# Altium PCB pay-ssm.PcbDoc (part 1 of 2) (continued)
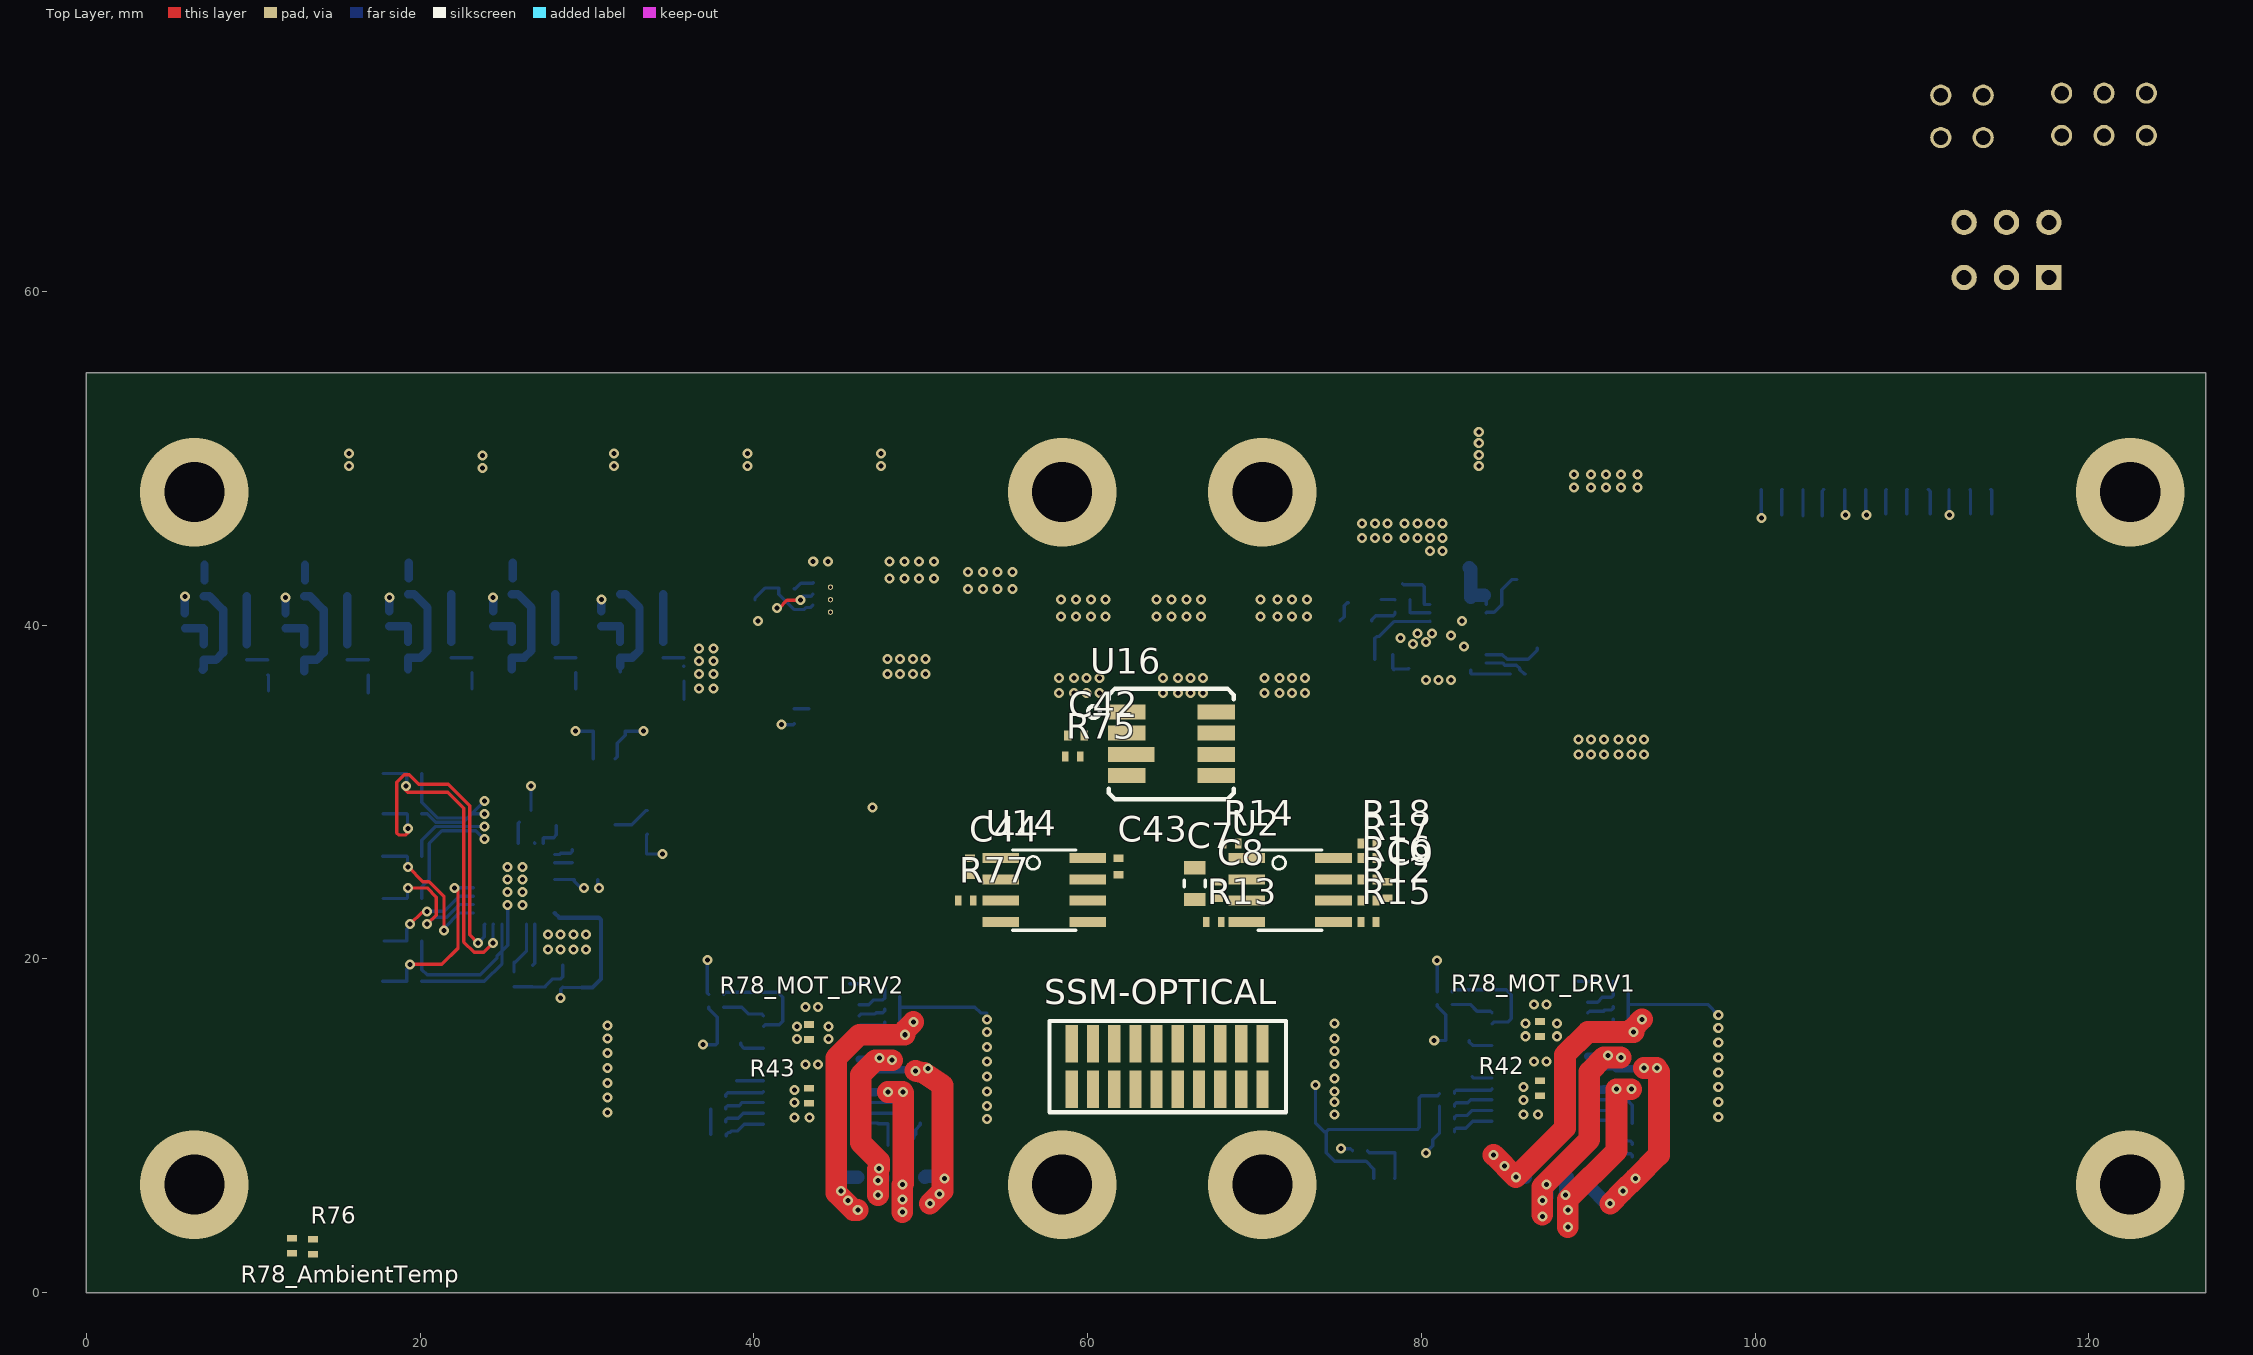
[diagram p0: Top Layer view]
## Footprints (in the part's own frame and the unit in brackets; to place one, negate y for a bottom-side part, rotate by r counter-clockwise, add the part's x,y. Pads: shape width x height; smd on the part's side, far side on the other; paste and mask are expansions set on the pad) (continued)
RES0805R [mm] "resistor 0805 reflow soldering"
  rect 0.7x1.3 smd mask+0: 1(-0.95,0) 2(0.95,0)
  silkscreen extent -0.2,-0.63 0.2,0.63, body extent -1,-0.63 1,0.62, height 0.5
SFMC-110-02-L-D [mil] "CONN RCPT 20POS 0.05 GOLD SMD"
  rect 29x88 smd: 1(225,-53.5) 2(225,53.5) 3(175,-53.5) 4(175,53.5) 5(125,-53.5) 6(125,53.5) 7(75,-53.5) 8(75,53.5) 9(25,-53.5) 10(25,53.5) 11(-25,-53.5) 12(-25,53.5) 13(-75,-53.5) 14(-75,53.5) 15(-125,-53.5) 16(-125,53.5) 17(-175,-53.5) 18(-175,53.5) 19(-225,-53.5) 20(-225,53.5)
  silkscreen extent -280,-108 278,108, body extent -257,-82 258,83, height 180
SLW-102-01-X-D [mil] "CONN RCPT 4POS 0.1 GOLD PCB"
  round 50 hole 34: 1(50,-50) 2(50,50) 3(-50,-50) 4(-50,50)
  silkscreen extent -120,-118 120,118, body extent -100,-98 100,98, height 180
SLW-103-01-X-D [mil] "CONN RCPT 6POS 0.1 GOLD PCB"
  round 50 hole 34: 1(100,-50) 2(100,50) 3(0,-50) 4(0,50) 5(-100,-50) 6(-100,50)
  silkscreen extent -170,-118 170,118, body extent -150,-98 150,98, height 180
SOIC127P500X600-8N [mm]
  rect 0.6x2.2 smd: 1(-1.905,-2.6) 2(-0.635,-2.6) 3(0.635,-2.6) 4(1.905,-2.6) 5(1.905,2.6) 6(0.635,2.6) 7(-0.635,2.6) 8(-1.905,2.6)
  silkscreen extent -2.4,-1.9 2.4,1.9, body extent -2.46,-2.67 2.44,2.69, height 2.03
SOP65P200X125-5N [mm] "SOP + Pitch P + Lead Span Nominal X Height - #Pins"
  rect 1x0.47 smd: 1(0,0) 2(0,-0.65) 3(0,-1.3) 4(1.8,-1.3) 5(1.8,0)
  silkscreen extent -0.42,-1.91 1.65,0.67, body extent -0.31,-1.74 2.08,1.02, height 1.7
SOP65P300X125-8N [mm] "SOP + Pitch P + Lead Span Nominal X Height - #Pins"
  rect 1.35x0.45 smd: 1(0,0) 2(0,-0.65) 3(0,-1.3) 4(0,-1.95) 5(3.95,-1.95) 6(3.95,-1.3) 7(3.95,-0.65) 8(3.95,0)
  silkscreen extent 0,-2.28 2.9,0.58, body extent -0.64,-2.47 4.51,0.53, height 0.95
SOP65P640X120-16N [mm] "SOP + Pitch P + Lead Span Nominal X Height - #Pins"
  rect 1.4x0.35 smd: 1(0,0) 2(0,-0.65) 3(0,-1.3) 4(0,-1.95) 5(0,-2.6) 6(0,-3.25) 7(0,-3.9) 8(0,-4.55) 9(5.4,-4.55) 10(5.4,-3.9) 11(5.4,-3.25) 12(5.4,-2.6) 13(5.4,-1.95) 14(5.4,-1.3) 15(5.4,-0.65) 16(5.4,0)
  silkscreen extent 1.53,-4.88 3.87,0.33, body extent -0.61,-4.84 5.99,0.27, height 1.2
SOP65P640X120-25N [mm] "SOP + Pitch P + Lead Span Nominal X Height - #Pins"
  rect 1.57x0.41 smd: 1(-2.87,3.575) 2(-2.87,2.925) 3(-2.87,2.275) 4(-2.87,1.625) 5(-2.87,0.975) 6(-2.87,0.325) 7(-2.87,-0.325) 8(-2.87,-0.975) 9(-2.87,-1.625) 10(-2.87,-2.275) 11(-2.87,-2.925) 12(-2.87,-3.575) 13(2.87,-3.575) 14(2.87,-2.925) 15(2.87,-2.275) 16(2.87,-1.625) 17(2.87,-0.975) 18(2.87,-0.325) 19(2.87,0.325) 20(2.87,0.975) 21(2.87,1.625) 22(2.87,2.275) 23(2.87,2.925) 24(2.87,3.575)
  rect 2.025x2.68 smd: 25(0,0)
  silkscreen extent -3.07,-3.9 2.2,4.47, body extent -3.2,-3.9 3.2,3.9, height 1.2
SOT95P280X145-6N [mil] "SOT + Pitch P + Nominal Lead Length X Height - #Pins"
  rect 50x22 smd: 1(-51,37) 2(-51,0) 3(-51,-37) 4(51,-37) 5(51,0) 6(51,37)
  silkscreen extent -21,48 21,60, body extent -59,-60 59,60, height 57
"TI-SOT-SC70 (DCK)" [mm] "IC CURR SENSE 1 CIRCUIT SC70-6"
  rect 0.85x0.35 smd: 1(-1.1,0.65) 2(-1.1,0) 3(-1.1,-0.65) 4(1.1,-0.65) 5(1.1,0) 6(1.1,0.65)
  silkscreen extent -2.4,0.4 -1.9,0.9, body extent -1.05,-1 1.05,1, height 1
TPS82140-8microSiP [mm] "DC/DC converter 0.9~6V 2A output 3~17V input"
  rect 0.61x0.5 smd: 1(-1.05,0.975) 2(-1.05,0.325) 3(-1.05,-0.325) 4(-1.05,-0.975) 5(1.05,-0.975) 6(1.05,-0.325) 7(1.05,0.325) 8(1.05,0.975)
  rect 1.1x1.9 smd: 9(0,0)
  round 0.32 hole 0.2: V1(0,0.75) V2(0,0) V3(0,-0.75)
  silkscreen extent -1.89,-1.5 1.4,1.5, body extent -1.52,-1.4 1.52,1.4, height 3.2
XAL6020-112MEB [mil] "Fixed Inductors 1.1uH 20% 12A 13.1mOhms AEC-Q200"
  rect 56x213 smd: 1(-79.5,0) 2(79.5,0)
  silkscreen extent -132,-136 132,136, body extent -129,-133 129,133, height 83

## Part data
ADC2 U5_ADS79521: "12 bit, 12 channel analog-to-digital converter with SPI interface.", Supplier Part Number 1=296-25842-1-ND, Supplier 1=Digi-Key
BATT2BST BATT2HEAT BATT2MOT R25: library part RES0603, "0603 resistor", Supplier Part Number 1=2019-TLRZ1JTTDCT-ND, Supplier 1=Digi-Key
BOOST-10V: "Boost converter", Supplier Part Number 1=296-42129-1-ND, Supplier 1=Digi-Key
BOT_SW1 HEATER1 HEATER2 HEATER3 HEATER4 HEATER5 J8 J10 TOP_SW1: "2 pos DF13 right angle surface mount connector", Supplier Part Number 1=H125743CT-ND, Supplier 1=Digi-Key
Buck-6V: "17V input 2A step-down converter MicroSiP module with integrated inductor", Supplier Part Number 1=296-48215-1-ND, ComponentLink1Description=Datasheet, ComponentLink1URL=http://www.ti.com/lit/ds/symlink/tps82140.pdf, Supplier 1=Digi-Key
C1 C7 C12 C12 C14 C14_ADC1 C18 C18_ADS79521: library part CAP0805, "0805 capacitor", Capacitance=10uF, Dielectric=X7R, Manufacturer=Murata, Manufacturer Part Number=GCM21BR70J106KE22K, Max Operating Temperature=125°C, Min Operating Temperature=-55°C, Supplier Part Number 1=490-14361-1-ND, Tolerance=10%, Voltage Rating (DC)=6.3V, Case/Package=0805, Depth=1.25mm, Lead Free="Lead Free", Length=2mm, Packaging="Tape and Reel", Pricing 1="1=0.42, 10=0.29, 100=0.1742, 500=0.13064, 1000=0.11031, 2500=0.10451, 5000=0.0987 (USD)", Stock 1=214938, Supplier 1=Digi-Key
C2 C3 C4 C8 C10 C10_ADC1 C41_Port_Expander1 C41_Port_Expander2 C45 C45 C46: library part CAP0402, "0402 capacitor", Capacitance=100nF, Case Code (Metric)=1005, Dielectric=X7R, Manufacturer="Taiyo Yuden", Manufacturer Part Number=EMK105B7104KVHF, Max Operating Temperature=125°C, Min Operating Temperature=-55°C, Package Quantity=10000, Ratings=AEC-Q200, Supplier Part Number 1=587-3807-1-ND, Tolerance=10%, Voltage Rating=16V, Case/Package=0402, Case Code (Imperial)=0402, Halogen Free="Halogen Free", Height=0.5mm, Lead Free="Lead Free", Length=0.039inch, Mount="Surface Mount", Packaging="Tape and Reel", Pricing 1="1=0.1, 10=0.057, 100=0.0254, 500=0.01812, 1000=0.01423, 2500=0.01294, 5000=0.0119 (USD)", Supplier 1=Digi-Key, Termination=SMD/SMT, Thickness=0.022inch, Voltage Rating (DC)=16V, Weight=2.3E-05oz, Width=0.02inch
  C2 C3 C4 C8 C10 C10_ADC1 C41_Port_Expander1 C41_Port_Expander2 C46: Stock 1=18196
  C45 C45: Stock 1=17496
C5 C6: library part CAP0402, "0402 capacitor", Capacitance=22pF, Case Code (Metric)=1005, Manufacturer=KEMET, Manufacturer Part Number=C0402C220K4RAC7867, Max Operating Temperature=125°C, Min Operating Temperature=-55°C, Supplier Part Number 1=399-17554-1-ND, Tolerance=10%, Voltage Rating=16V, Case/Package=0402, Case Code (Imperial)=0402, Mount="Surface Mount", Packaging="Tape and Reel", Pricing 1="1=0.19, 10=0.132, 100=0.062, 500=0.0435, 1000=0.03601, 2500=0.03351, 5000=0.03066 (USD)", Stock 1=68765, Supplier 1=Digi-Key
C9: library part CAP0402, "0402 capacitor", Capacitance=47pF, Dielectric=X7R, Manufacturer=KEMET, Manufacturer Part Number=C0402C470J3RACAUTO, Max Operating Temperature=125°C, Min Operating Temperature=-55°C, Supplier Part Number 1=399-17558-1-ND, Tolerance=5%, Case/Package=0402, Depth=0.5mm, Length=1mm, Packaging="Tape and Reel", Pricing 1="1=0.15, 10=0.104, 100=0.0489, 500=0.0343, 1000=0.0284, 2500=0.02643, 5000=0.02418 (USD)", Stock 1=18140, Supplier 1=Digi-Key
C11 C11_ADC1: library part CAP0402, "0402 capacitor", Capacitance=220pF, Case Code (Metric)=1005, Dielectric=X7R, Manufacturer=Murata, Manufacturer Part Number=GCM155R71H221KA37D, Max Operating Temperature=125°C, Min Operating Temperature=-55°C, Package Quantity=1, Ratings=AEC-Q200, Supplier Part Number 1=490-4912-1-ND, Tolerance=10%, Voltage=50V, Case/Package=0402, Case Code (Imperial)=0402, ComponentLink1Description=http://psearch.murata.com/capacitor/product/GCM155R71H221KA37%23.pdf?src-supplier=Avnet+Europe, ComponentLink1URL=http://psearch.murata.com/capacitor/product/GCM155R71H221KA37%23.pdf?src-supplier=Avnet+Europe, ComponentLink2Description=http://search.murata.co.jp/Ceramy/image/img/A01X/partnumbering_e_02.pdf?src-supplier=Digi-Key, ComponentLink2URL=http://search.murata.co.jp/Ceramy/image/img/A01X/partnumbering_e_02.pdf?src-supplier=Digi-Key, ComponentLink3Description=https://www.murata.com/~/media/webrenewal/support/library/catalog/products/capacitor/mlcc/c03e.ashx?src-supplier=Avnet, ComponentLink3URL=https://www.murata.com/~/media/webrenewal/support/library/catalog/products/capacitor/mlcc/c03e.ashx?src-supplier=Avnet, Depth=0.5mm, Height=0.5mm, Length=1mm, Mount="Surface Mount", Packaging="Tape and Reel", Pricing 1="1=0.1, 10=0.059, 100=0.0264, 500=0.01884, 1000=0.0148, 2500=0.01346, 5000=0.01238 (USD)", Radiation Hardening=No, Stock 1=141569, Supplier 1=Digi-Key, Termination=SMD/SMT, Thickness=0.022inch, Voltage Rating=50V, Voltage Rating (DC)=50V, Width=0.02inch
C13 C13_ADC1 C15 C15_ADS79521 C16 C16_ADS79521 C17 C17_ADS79521: library part CAP0603, "0603 capacitor", Capacitance=1uF, Case Code (Metric)=1608, Manufacturer=KEMET, Manufacturer Part Number=C0603C105K4RACAUTO, Max Operating Temperature=125°C, Min Operating Temperature=-55°C, Ratings=AEC-Q200, Supplier Part Number 1=399-17704-1-ND, Tolerance=10%, Voltage Rating=16V, Case/Package=0603, Case Code (Imperial)=0603, Mount="Surface Mount", Packaging="Cut Tape", Pricing 1="1=0.17, 10=0.12, 100=0.0564, 500=0.03952, 1000=0.03273 (USD)", Stock 1=376276, Supplier 1=Digi-Key
C19: library part CAP0603, "0603 capacitor", Supplier Part Number 1=445-5666-1-ND, Supplier 1=Digi-Key
C20 C30: library part CAP0402, "0402 capacitor", Supplier Part Number 1=490-6321-1-ND, Supplier 1=Digi-Key
C21 C24 C28: library part CAP2220, "Ceramic Capacitor 2220 (5750 Metric)", Supplier Part Number 1=445-7934-1-ND, Supplier 1=Digi-Key
C22 C23: library part CAP1206, "1206 capacitor", Supplier Part Number 1=445-5998-1-ND, Supplier 1=Digi-Key
C25: library part CAP0603, "0603 capacitor", Supplier Part Number 1=587-1241-1-ND, Supplier 1=Digi-Key
C26: library part CAP0402, "0402 capacitor", Supplier Part Number 1=490-3250-1-ND, Supplier 1=Digi-Key
C27: library part CAP0402, "0402 capacitor", Supplier Part Number 1=490-6338-1-ND, Supplier 1=Digi-Key
C29: library part CAP0402, "0402 capacitor", Supplier Part Number 1=490-6178-1-ND, Supplier 1=Digi-Key
C31 C32: library part CAP1206, "1206 capacitor", Supplier Part Number 1=445-8035-1-ND, Supplier 1=Digi-Key
C33 C34: library part CAP1206, "1206 capacitor", Supplier Part Number 1=445-14799-1-ND, Supplier 1=Digi-Key
C35: library part CAP0402, "0402 capacitor", Supplier Part Number 1=490-1298-1-ND, Supplier 1=Digi-Key
C36 C36: library part CAP0402, "0402 capacitor", Supplier Part Number 1=445-6900-1-ND, Supplier 1=Digi-Key
C37 C37 C38 C38 C39 C39: library part CAP1206, "1206 capacitor", Supplier Part Number 1=445-174428-1-ND, Supplier 1=Digi-Key
C40 C40: library part CAP0603, "0603 capacitor", Supplier Part Number 1=445-6933-1-ND, Supplier 1=Digi-Key
C42 C43 C44: library part CAP0402, "0402 capacitor"
D2 D3 D4 D5 D6 D7 nSLEEP nSLEEP: "Generic 0603 LED. Use ChipLED from Osram for generic ones."
EPS-PAY: "15 pos DF13 right angle surface mount connector", Supplier Part Number 1=H125988CT-ND, Supplier 1=Digi-Key
J3: "6 pos 100mil pitch low profile header", Supplier Part Number 1=SAM1088-03-ND, Supplier 1=Digi-Key
J4: "4 pos 100mil pitch low profile header", Supplier Part Number 1=SAM1088-02-ND, Supplier 1=Digi-Key
J12 J13 J14 J15: library part DF13A-6P-1.25H(51), "DF13 6 POS 1.25mm PITCH Right-angled", Supplier Part Number 1=798-DF13A6P125H51, ComponentLink1Description=Datasheet, ComponentLink1URL=https://www.hirose.com/product/document?clcode=CL0536-0109-0-76&productname=DF13-10P-1.25DSA(76)&series=DF13&documenttype=Catalog&lang=en&documentid=D31687_en, Supplier 1=Mouser
L1: library part Inductor, "Inductor", Case Code (Metric)=1608, Current Rating=300mA, DC Resistance (DCR)=780mR, Inductance=10uH, Manufacturer=TDK, Manufacturer Part Number=MLZ1608N100LTD25, Max Operating Temperature=125°C, Min Operating Temperature=-55°C, Package Quantity=4000, Ratings=AEC-Q200, Saturation Current=60mA, Supplier Part Number 1=445-17067-1-ND, Test Frequency=2MHz, Tolerance=20%, Case/Package=0603, Case Code (Imperial)=0603, Code_IEC=1005, Code_JEITA=0402, Core Material=Ferrite, Height=0.8mm, Height - Seated (Max)=0.037inch, LatestRevisionDate=29-May-2009, LatestRevisionNote="IPC-7351 Footprint Added.", Lead Free="Lead Free", Length=0.063inch, Max DC Current=300mA, Mount="Surface Mount", PackageDescription="Chip Inductor", PackageReference=0402-A, Packaging="Tape and Reel", Pricing 1="1=0.22, 10=0.202, 100=0.1346, 500=0.11212, 1000=0.09419 (USD)", Published=8-Jun-2000, Publisher="Altium Limited", Shielding=Shielded, Stock 1=11876, Supplier 1=Digi-Key, Termination=SMD/SMT, Weight=0.000141oz, Width=0.8mm
L2: "Fixed Inductors 1.1uH 20% 12A, 13.1mOhms AEC-Q200", Supplier Part Number 1=994-XAL6020-112MEB, ComponentLink1Description=Datasheet, ComponentLink1URL=https://www.mouser.ca/datasheet/2/597/xal6020-774588.pdf, Supplier 1=Mouser
MOTOR1 MOTOR2: "4 pos DF13 right angle surface mount connector", Supplier Part Number 1=H125779CT-ND, Supplier 1=Digi-Key
MOTOR_DRV1 MOTOR_DRV2: "Dual-bridge stepper or dc motor driver. 1.5A per coil with 2.5-10.8 V load supply.", Supplier Part Number 1=296-41246-1-ND, ComponentLink1Description=Datasheet, ComponentLink1URL=http://www.ti.com/lit/ds/symlink/drv8834.pdf, Supplier 1=Digi-Key
Q1 Q1 Q1 Q1 Q1 Q2 Q2 Q2 Q2 Q2: library part FDC637BNZCT-ND, "20V 6.2A, N-MOS, low gate on voltage", Supplier 1=Digi-Key, Supplier Part Number 1=FDC637BNZCT-ND
R1 R2 R4 R5 R6 R8 R9 R10 R36 R41 R42 R43 R44 R45 R46 R47 R48 R48 R49 R49 R50 R50 R51 R51 R52 R52 R53 R53 R58 R58 R59 R59 R60 R60 R61 R61 R62 R62 R63 R63 R64 R64 R65 R65 R65 R65 R65 R66 R66 R66 R66 R66 R75 R76 R77: library part RES0402, "0402 resistor"
R11: library part RES0402, "0402 resistor", Case Code (Metric)=1005, Manufacturer=Yageo, Manufacturer Part Number=AC0402FR-0730KL, Max Operating Temperature=155°C, Max Power Dissipation=63mW, Min Operating Temperature=-55°C, Power Rating=62.5mW, Resistance=30kR, Supplier Part Number 1=YAG3474CT-ND, Temperature Coefficient=100ppm/°C, Tolerance=1%, Voltage Rating=50V, Case/Package=0402, Case Code (Imperial)=0402, Composition="Thick Film", Features="Moisture Resistant,Automotive AEC-Q200", Height=0.015inch, Lead Free="Lead Free", Length=0.039inch, Number of Terminations=2, Packaging="Tape and Reel", Pricing 1="1=0.1, 10=0.022, 100=0.009, 1000=0.00403, 2500=0.0035, 5000=0.00289 (USD)", Stock 1=756314, Supplier 1=Digi-Key, Termination=SMD/SMT, Weight=2.3E-05oz, Width=0.5mm
R12 R16: library part RES0402, "0402 resistor", Case Code (Metric)=1005, Manufacturer=Vishay, Manufacturer Part Number=CRCW040260R4FKED, Max Operating Temperature=155°C, Max Power Dissipation=63mW, Min Operating Temperature=-55°C, Package Quantity=10, Resistance=60.4R, Supplier Part Number 1=541-60.4LCT-ND, Temperature Coefficient=100ppm/°C, Tolerance=1%, Voltage Rating=50V, Case/Package=0402, Case Code (Imperial)=0402, ComponentLink1Description=https://www.alliedelec.com/m/d/0c934d6939ccefa68dbe0b96d821c8cf.pdf?src-supplier=Allied+Electronics, ComponentLink1URL=https://www.alliedelec.com/m/d/0c934d6939ccefa68dbe0b96d821c8cf.pdf?src-supplier=Allied+Electronics, ComponentLink2Description=http://www.farnell.com/datasheets/1697337.pdf?src-supplier=Element14, ComponentLink2URL=http://www.farnell.com/datasheets/1697337.pdf?src-supplier=Element14, ComponentLink3Description=http://www.vishay.com/docs/20035/dcrcwe3.pdf?src-supplier=Digi-Key, ComponentLink3URL=http://www.vishay.com/docs/20035/dcrcwe3.pdf?src-supplier=Digi-Key, ComponentLink4Description=http://www.farnell.com/datasheets/2111203.pdf?src-supplier=Element14, ComponentLink4URL=http://www.farnell.com/datasheets/2111203.pdf?src-supplier=Element14, ComponentLink5Description=http://www.vishay.com/docs/20035/dcrcwe3.pdf?src-supplier=Future+Electronics, ComponentLink5URL=http://www.vishay.com/docs/20035/dcrcwe3.pdf?src-supplier=Future+Electronics, Composition="Thick Film", Contact Plating=Tin, Depth=0.5mm, Features="Automotive AEC-Q200", Height=0.35mm, Lead Free="Lead Free", Length=1mm, Military Standard=Not, Number of Terminations=2, Packaging="Tape and Reel", Power Rating=63mW, Pricing 1="1=0.1, 10=0.038, 100=0.0154, 1000=0.0069, 2500=0.00599, 5000=0.00495 (USD)", Radiation Hardening=No, REACH SVHC=Unknown, Stock 1=132015, Supplier 1=Digi-Key, Termination=Solder, Voltage Rating (DC)=50V, Weight=2.3E-05oz, Width=0.5mm
R13 R14 R15 R19 R19_ADC1 R20 R20_ADC1 R21 R21_ADC1 R22 R22_ADC1 R23 R23_ADC1: library part RES0402, "0402 resistor", Case Code (Metric)=1005, Manufacturer="Vishay Dale", Manufacturer Part Number=CRCW0402100RFKEDHP, Max Operating Temperature=155°C, Min Operating Temperature=-55°C, Package Quantity=10000, Power Rating=125mW, Resistance=100R, Supplier Part Number 1=541-100YCT-ND, Temperature Coefficient=100ppm/°C, Tolerance=1%, Voltage Rating=50V, Case/Package=0402, Case Code (Imperial)=0402, ComponentLink1Description=http://www.vishay.com/docs/20043/crcwhpe3.pdf?src-supplier=Avnet, ComponentLink1URL=http://www.vishay.com/docs/20043/crcwhpe3.pdf?src-supplier=Avnet, Composition="Thick Film", Contact Plating=Tin, Depth=0.5mm, Height=0.3mm, Lead Free="Lead Free", Length=1mm, Mount="Surface Mount", Packaging="Tape and Reel", Pricing 1="1=0.15, 10=0.138, 100=0.0532, 1000=0.02343, 2500=0.02023, 5000=0.0181 (USD)", Radiation Hardening=No, REACH SVHC=Unknown, Stock 1=530594, Supplier 1=Digi-Key, Termination=SMD/SMT, Voltage Rating (DC)=50V, Weight=2.3E-05oz, Width=0.5mm
R17 R18 R69 R69_Port_Expander1 R70 R70_Port_Expander1 R71 R71_Port_Expander1 R72 R72_Port_Expander1 R73 R73_Port_Expander1 R74 R74_Port_Expander1: library part RES0402, "0402 resistor", Case Code (Metric)=1005, Manufacturer=Panasonic, Manufacturer Part Number=ERJ-2GE0R00X, Max Operating Temperature=155°C, Max Power Dissipation=100mW, Min Operating Temperature=-55°C, Package Quantity=1, Resistance=0mR, Supplier Part Number 1=P0.0JCT-ND, Temperature Coefficient=600ppm/°C, Tolerance=5%, Voltage Rating=50V, Case/Package=0402, Case Code (Imperial)=0402, ComponentLink1Description=http://industrial.panasonic.com/www-data/pdf/AOA0000/AOA0000CE1.pdf?src-supplier=Avnet, ComponentLink1URL=http://industrial.panasonic.com/www-data/pdf/AOA0000/AOA0000CE1.pdf?src-supplier=Avnet, ComponentLink2Description=http://www.alliedelec.com/m/d/51cd0790071e1666bdb9d00c57fcf960.pdf?src-supplier=Allied+Electronics, ComponentLink2URL=http://www.alliedelec.com/m/d/51cd0790071e1666bdb9d00c57fcf960.pdf?src-supplier=Allied+Electronics, ComponentLink3Description=http://industrial.panasonic.com/www-data/pdf/AOA0000/AOA0000CE1.pdf?src-supplier=Avnet+Europe, ComponentLink3URL=http://industrial.panasonic.com/www-data/pdf/AOA0000/AOA0000CE1.pdf?src-supplier=Avnet+Europe, ComponentLink4Description=http://www.farnell.com/datasheets/2059623.pdf?src-supplier=Farnell, ComponentLink4URL=http://www.farnell.com/datasheets/2059623.pdf?src-supplier=Farnell, ComponentLink5Description=http://www.farnell.com/datasheets/2059623.pdf?src-supplier=Element14, ComponentLink5URL=http://www.farnell.com/datasheets/2059623.pdf?src-supplier=Element14, ComponentLink6Description=http://www.farnell.com/datasheets/1678796.pdf?src-supplier=Element14, ComponentLink6URL=http://www.farnell.com/datasheets/1678796.pdf?src-supplier=Element14, Composition="Thick Film", Contact Plating=Tin, Depth=0.5mm, Features="Automotive AEC-Q200", Height=0.35mm, Lead Free="Lead Free", Length=1mm, Military Standard=Not, Mount="Surface Mount", Number of Terminations=2, Packaging="Tape and Reel", Power Rating=100mW, Pricing 1="1=0.1, 10=0.03, 25=0.0216, 50=0.0164, 100=0.0121, 250=0.00924, 500=0.0074, 1000=0.00545, 5000=0.00391 (USD)", Radiation Hardening=No, REACH SVHC="No SVHC", Stock 1=47740000, Supplier 1=Digi-Key, Termination=SMD/SMT, Voltage Rating (DC)=50V, Width=0.02inch
R24 R24_ADS79521 R67_Port_Expander1 R67_Port_Expander2 R68_Port_Expander1 R68_Port_Expander2 R79: library part RES0402, "0402 resistor", Case Code (Metric)=1005, Manufacturer=Panasonic, Manufacturer Part Number=ERJ-2RKF1002X, Max Operating Temperature=155°C, Max Power Dissipation=100mW, Min Operating Temperature=-55°C, Package Quantity=1, Resistance=10kR, Supplier Part Number 1=P10.0KLCT-ND, Temperature Coefficient=100ppm/°C, Tolerance=1%, Voltage Rating=50V, Case/Package=0402, Case Code (Imperial)=0402, ComponentLink1Description=http://industrial.panasonic.com/www-data/pdf/AOA0000/AOA0000CE2.pdf?src-supplier=Future+Electronics, ComponentLink1URL=http://industrial.panasonic.com/www-data/pdf/AOA0000/AOA0000CE2.pdf?src-supplier=Future+Electronics, ComponentLink2Description=http://industrial.panasonic.com/www-data/pdf/AOA0000/AOA0000CE2.pdf?src-supplier=Avnet+Europe, ComponentLink2URL=http://industrial.panasonic.com/www-data/pdf/AOA0000/AOA0000CE2.pdf?src-supplier=Avnet+Europe, ComponentLink3Description=https://industrial.panasonic.com/cdbs/www-data/pdf/RDA0000/DMA0000COL11.pdf?src-supplier=Mouser, ComponentLink3URL=https://industrial.panasonic.com/cdbs/www-data/pdf/RDA0000/DMA0000COL11.pdf?src-supplier=Mouser, ComponentLink4Description=http://www.farnell.com/datasheets/1678782.pdf?src-supplier=Element14, ComponentLink4URL=http://www.farnell.com/datasheets/1678782.pdf?src-supplier=Element14, ComponentLink5Description=http://www.farnell.com/datasheets/1911175.pdf?src-supplier=Farnell, ComponentLink5URL=http://www.farnell.com/datasheets/1911175.pdf?src-supplier=Farnell, ComponentLink6Description=http://www.jameco.com/Jameco/Products/ProdDS/1987020.pdf?src-supplier=Jameco, ComponentLink6URL=http://www.jameco.com/Jameco/Products/ProdDS/1987020.pdf?src-supplier=Jameco, ComponentLink7Description=http://industrial.panasonic.com/www-data/pdf/AOA0000/AOA0000CE2.pdf?src-supplier=Avnet, ComponentLink7URL=http://industrial.panasonic.com/www-data/pdf/AOA0000/AOA0000CE2.pdf?src-supplier=Avnet, ComponentLink8Description=http://www.alliedelec.com/m/d/623f45ff1957d936ff56d46fd1c28cac.pdf?src-supplier=Allied+Electronics, ComponentLink8URL=http://www.alliedelec.com/m/d/623f45ff1957d936ff56d46fd1c28cac.pdf?src-supplier=Allied+Electronics, Composition="Thick Film", Contact Plating=Tin, Depth=0.5mm, Features="Automotive AEC-Q200", Height=0.35mm, Lead Free="Lead Free", Length=1mm, Military Standard=Not, Mount="Surface Mount", Number of Pins=2, Number of Terminations=2, Packaging="Tape and Reel", Power Rating=100mW, Pricing 1="1=0.1, 10=0.045, 100=0.0183, 1000=0.00823, 2500=0.00715, 5000=0.0059 (USD)", Radiation Hardening=No, REACH SVHC="No SVHC", Stock 1=14350001, Supplier 1=Digi-Key, Termination=SMD/SMT, Voltage Rating (DC)=50V, Width=0.02inch
R26: library part RES0805, "0805 resistor", Supplier Part Number 1=P215KCCT-ND, Supplier 1=Digi-Key
R27 R31: library part RES0402, "0402 resistor", Supplier Part Number 1=RMCF0402ZT0R00CT-ND, Supplier 1=Digi-Key
R28: library part RES0805, "0805 resistor", Supplier Part Number 1=RHM.008AJCT-ND, Supplier 1=Digi-Key
R29: library part RES0805, "0805 resistor", Supplier Part Number 1=541-102KCCT-ND, Supplier 1=Digi-Key
R30: library part RES0402, "0402 resistor", Supplier Part Number 1=541-453KLCT-ND, Supplier 1=Digi-Key
R32: library part RES0402, "0402 resistor", Supplier Part Number 1=RMCF0402FT3K00CT-ND, Supplier 1=Digi-Key
R33: library part RES0805, "0805 resistor", Supplier Part Number 1=541-44.2KCCT-ND, Supplier 1=Digi-Key
R34: library part RES0603, "0603 resistor", Supplier Part Number 1=311-62.0KHRCT-ND, Supplier 1=Digi-Key
R35: library part RES0402, "0402 resistor", Supplier Part Number 1=YAG1234CT-ND, Supplier 1=Digi-Key
R37: library part RES0805, "0805 resistor", Supplier Part Number 1=P19203CT-ND, Supplier 1=Digi-Key
R38 R40: library part RES0402, "0402 resistor", Supplier Part Number 1=541-100KLCT-ND, Supplier 1=Digi-Key
R39: library part RES0402, "0402 resistor", Supplier Part Number 1=541-649KLCT-ND, Supplier 1=Digi-Key
R54 R54 R55 R55 R56 R56 R57 R57: library part RES0805, "0805 resistor", Supplier Part Number 1=WSLA-.20CT-ND, Supplier 1=Digi-Key
R78 R78 R78 R78 R78 R78 R78 R78_ R78_AmbientTemp R78_MF_THM1_6 R78_MF_THM1_7 R78_MF_THM1_8 R78_MF_THM1_9 R78_MF_THM1_10 R78_MF_THM1_11 R78_MOT_DRV1 R78_MOT_DRV2: library part RES0402, "0402 resistor", Case Code (Metric)=1005, Manufacturer=Panasonic, Manufacturer Part Number=ERA-2AEB103X, Max Operating Temperature=155°C, Max Power Dissipation=63mW, Min Operating Temperature=-55°C, Package Quantity=1, Resistance=10kR, Supplier Part Number 1=P10KDCCT-ND, Temperature Coefficient=25ppm/°C, Tolerance=0.1%, Voltage Rating=25V, Case/Package=0402, Case Code (Imperial)=0402, ComponentLink1Description=http://uk.rs-online.com/webdocs/0bee/0900766b80beefcc.pdf?src-supplier=RSComponents, ComponentLink1URL=http://uk.rs-online.com/webdocs/0bee/0900766b80beefcc.pdf?src-supplier=RSComponents, ComponentLink2Description=http://industrial.panasonic.com/www-data/pdf/AOA0000/AOA0000CE26.pdf?src-supplier=Avnet, ComponentLink2URL=http://industrial.panasonic.com/www-data/pdf/AOA0000/AOA0000CE26.pdf?src-supplier=Avnet, ComponentLink3Description=http://www.farnell.com/datasheets/328837.pdf?src-supplier=Element14, ComponentLink3URL=http://www.farnell.com/datasheets/328837.pdf?src-supplier=Element14, ComponentLink4Description=http://www.farnell.com/datasheets/2052875.pdf?src-supplier=Farnell, ComponentLink4URL=http://www.farnell.com/datasheets/2052875.pdf?src-supplier=Farnell, ComponentLink5Description=http://industrial.panasonic.com/www-data/pdf/AOA0000/AOA0000CE26.pdf?src-supplier=Future+Electronics, ComponentLink5URL=http://industrial.panasonic.com/www-data/pdf/AOA0000/AOA0000CE26.pdf?src-supplier=Future+Electronics, ComponentLink6Description=http://www.alliedelec.com/m/d/b6b0537e86f421aa7f5975bb1d8f429a.pdf?src-supplier=Allied+Electronics, ComponentLink6URL=http://www.alliedelec.com/m/d/b6b0537e86f421aa7f5975bb1d8f429a.pdf?src-supplier=Allied+Electronics, Composition="Metal Film,Thin Film", Contact Plating=Tin, Depth=0.5mm, Features="Automotive AEC-Q200", Height=0.35mm, Lead Free="Lead Free", Length=1mm, Military Standard=Not, Mount="Surface Mount", Number of Pins=2, Number of Terminations=2, Packaging="Tape and Reel", Power Rating=63mW, Pricing 1="1=0.45, 10=0.321, 100=0.1283, 1000=0.06322, 2500=0.05858, 5000=0.053 (USD)", Radiation Hardening=No, REACH SVHC="No SVHC", Stock 1=1578480, Supplier 1=Digi-Key, Termination=SMD/SMT, Voltage Rating (DC)=25V, Width=0.5mm
R80 R81 R82 R83 R84 R85: library part RES0402, "0402 resistor", Case Code (Metric)=1005, Manufacturer="TE Connectivity", Manufacturer Part Number=CRGCQ0402F330R, Max Operating Temperature=155°C, Max Power Dissipation=63mW, Min Operating Temperature=-55°C, Resistance=330R, Supplier Part Number 1=A129621CT-ND, Temperature Coefficient=100ppm/°C, Tolerance=1%, Case/Package=0402, Case Code (Imperial)=0402, Composition="Thick Film", Features="Moisture Resistant,Automotive AEC-Q200", Number of Terminations=2, Packaging="Tape and Reel", Pricing 1="1=0.1, 10=0.022, 100=0.009, 1000=0.00406, 2500=0.00352, 5000=0.00291 (USD)", Stock 1=224275, Supplier 1=Digi-Key
S1: library part "DPDT Switch", "DPDT Switch, customized for the pinout of the JS202011AQN switch.", Supplier Part Number 1=401-2000-ND, Supplier 1=Digi-Key
S2: library part "Pushbutton - Low Profile", "Schematic symbol for a generic 2-pin pushbutton, OFF-mom.", Supplier Part Number 1=CKN10587CT-ND, Supplier 1=Digi-Key
SSM-OPTICAL: Supplier Part Number 1=SAM8969-ND, Supplier 1=Digi-Key
U1: library part ATMEGA64M1_QFP, "Atmel 8-bit AVR microcontroller.", Supplier Part Number 1=ATMEGA64M1-AU-ND, Supplier 1=Digi-Key
U2: "3.3V CAN Transceiver with Standby Mode, Loop-back 8-SOIC -40 to 125", Package="SOIC-8 Texas Instruments", Supplier Part Number 1=296-14639-5-ND, Availability=Good, MF="Texas Instruments", MP=SN65HVD233D, Price="2.39 USD", SnapEDA_Link=https://www.snapeda.com/parts/SN65HVD233D/Texas%20Instruments/view-part/?ref=snap, Supplier 1=Digi-Key
U3 U3_ADC1: "Low power, low noise rail-to-rail op-amp.", Supplier Part Number 1=AD8613AKSZ-REEL7CT-ND, Supplier 1=Digi-Key
U4 U4_ADC1: "Voltage Reference", Supplier Part Number 1=296-41382-1-ND, Supplier 1=Digi-Key
U8_Port_Expander1 U8_Port_Expander2: "16 channel SPI port expander", Supplier Part Number 1=MCP23S17T-E/MLCT-ND, Supplier 1=Digi-Key
U11 U11: "IC CURR SENSE 1 CIRCUIT SC70-6", Supplier Part Number 1=296-51151-1-ND, ComponentLink1Description=Datasheet, ComponentLink1URL=http://www.ti.com/general/docs/suppproductinfo.tsp?distId=10&gotoUrl=http%3A%2F%2Fwww.ti.com%2Flit%2Fgpn%2Fina213-q1, Supplier 1=Digi-Key
U12: "Hex non-inverting buffer with 3-state outputs", Supplier Part Number 1=296-33932-5-ND, Supplier 1=Digi-Key
U14: "Digital humidity/temperature sensors. +/- 3% RH, 0-100%, SPI output. Model version with filter and condensation resistant.", Supplier Part Number=480-5705-1-ND, ComponentLink1Description=Datasheet, ComponentLink1URL=https://sensing.honeywell.com/index.php?ci_id=147071, Supplier=Digi-Key, Supplier 1=Digi-Key, Supplier Part Number 1=480-5705-1-ND
U16: "Digital 24-bit pressure sensor with SPI output. Operating range from 0-5bar, includes onboard temperature sensor and hermetic seal.", Supplier Part Number 1=824-MS580305BA01-00, ComponentLink1Description=14BA-Datasheet, ComponentLink1URL=https://www.te.com/commerce/DocumentDelivery/DDEController?Action=srchrtrv&DocNm=MS5803-14BA&DocType=Data+Sheet&DocLang=English, ComponentLink2Description=05BA-Datasheet, ComponentLink2URL=https://www.te.com/commerce/DocumentDelivery/DDEController?Action=srchrtrv&DocNm=MS5803-05BA&DocType=Data+Sheet&DocLang=English, Supplier 1=Mouser
Y1: library part AMB3B-8MHz, "8MHz Abracom 4-pin crystal.", Supplier Part Number 1=535-13456-1-ND, Supplier 1=Digi-Key

## Via types
v1: diameter 0.6, hole 0.3, Top Layer to Bottom Layer, tented both sides, 300 vias
v2: diameter 6.5, hole 3.6, Top Layer to Bottom Layer, 8 vias

## Nets (pads, with @x,y where several pads share a name; then routed paths per layer and width w, separated by ;. In a path a pad name is that pad's centre, name@x,y a point inside that pad or via, vN(x,y) a via of type N, cw(c..) or ccw(c..) an arc to the next point about the centre after c; other vN are vias at no path point)
+BATT: BATT2BST.2 BATT2HEAT.1 BATT2MOT.1 EPS-PAY.13 EPS-PAY.14 EPS-PAY.15
A0_Port_Expander1: R71_Port_Expander1.1 R74_Port_Expander1.2 U8_Port_Expander1.11
A0_Port_Expander2: R71.1 R74.2 U8_Port_Expander2.11
A1_Port_Expander1: R70_Port_Expander1.1 R73_Port_Expander1.2 U8_Port_Expander1.12
A1_Port_Expander2: R70.1 R73.2 U8_Port_Expander2.12
A2_Port_Expander1: R69_Port_Expander1.1 R72_Port_Expander1.2 U8_Port_Expander1.13
A2_Port_Expander2: R69.1 R72.2 U8_Port_Expander2.13
ADC1_CS_N: R19_ADC1.1 U1.26
ADC2_CS_N: R19.1 U1.27
ADC_AINP_ADC1: C11_ADC1.2 R21_ADC1.2 U5_ADS79521.3
ADC_AINP_ADC2: ADC2.3 C11.2 R21.2 | length 3.2
  Bottom Layer w0.2: R21.2@25.63,19.234 C11.2@25.63,19.808 25.705,19.808 26.381,20.483 ADC2.3@26.381,22.072
ADC_BUF_OUT_ADC1: R21_ADC1.1 U3_ADC1.1 U3_ADC1.4